# Altium PCB FMC_ADC_250M_16B_4ch.PcbDoc (part 5 of 8)
Units mm, origin at the board's own origin, x right, y up, seen from the top; angles counter-clockwise.
Board outline 76.75 x 69 mm, 8 copper layers (Top Layer, GND(SMAGND), L3, GND, L5, GND (Plane2), Power, Bottom Layer), stack 2.323 mm thick; 401 components, 423 nets, 2219 pads, 1334 vias.
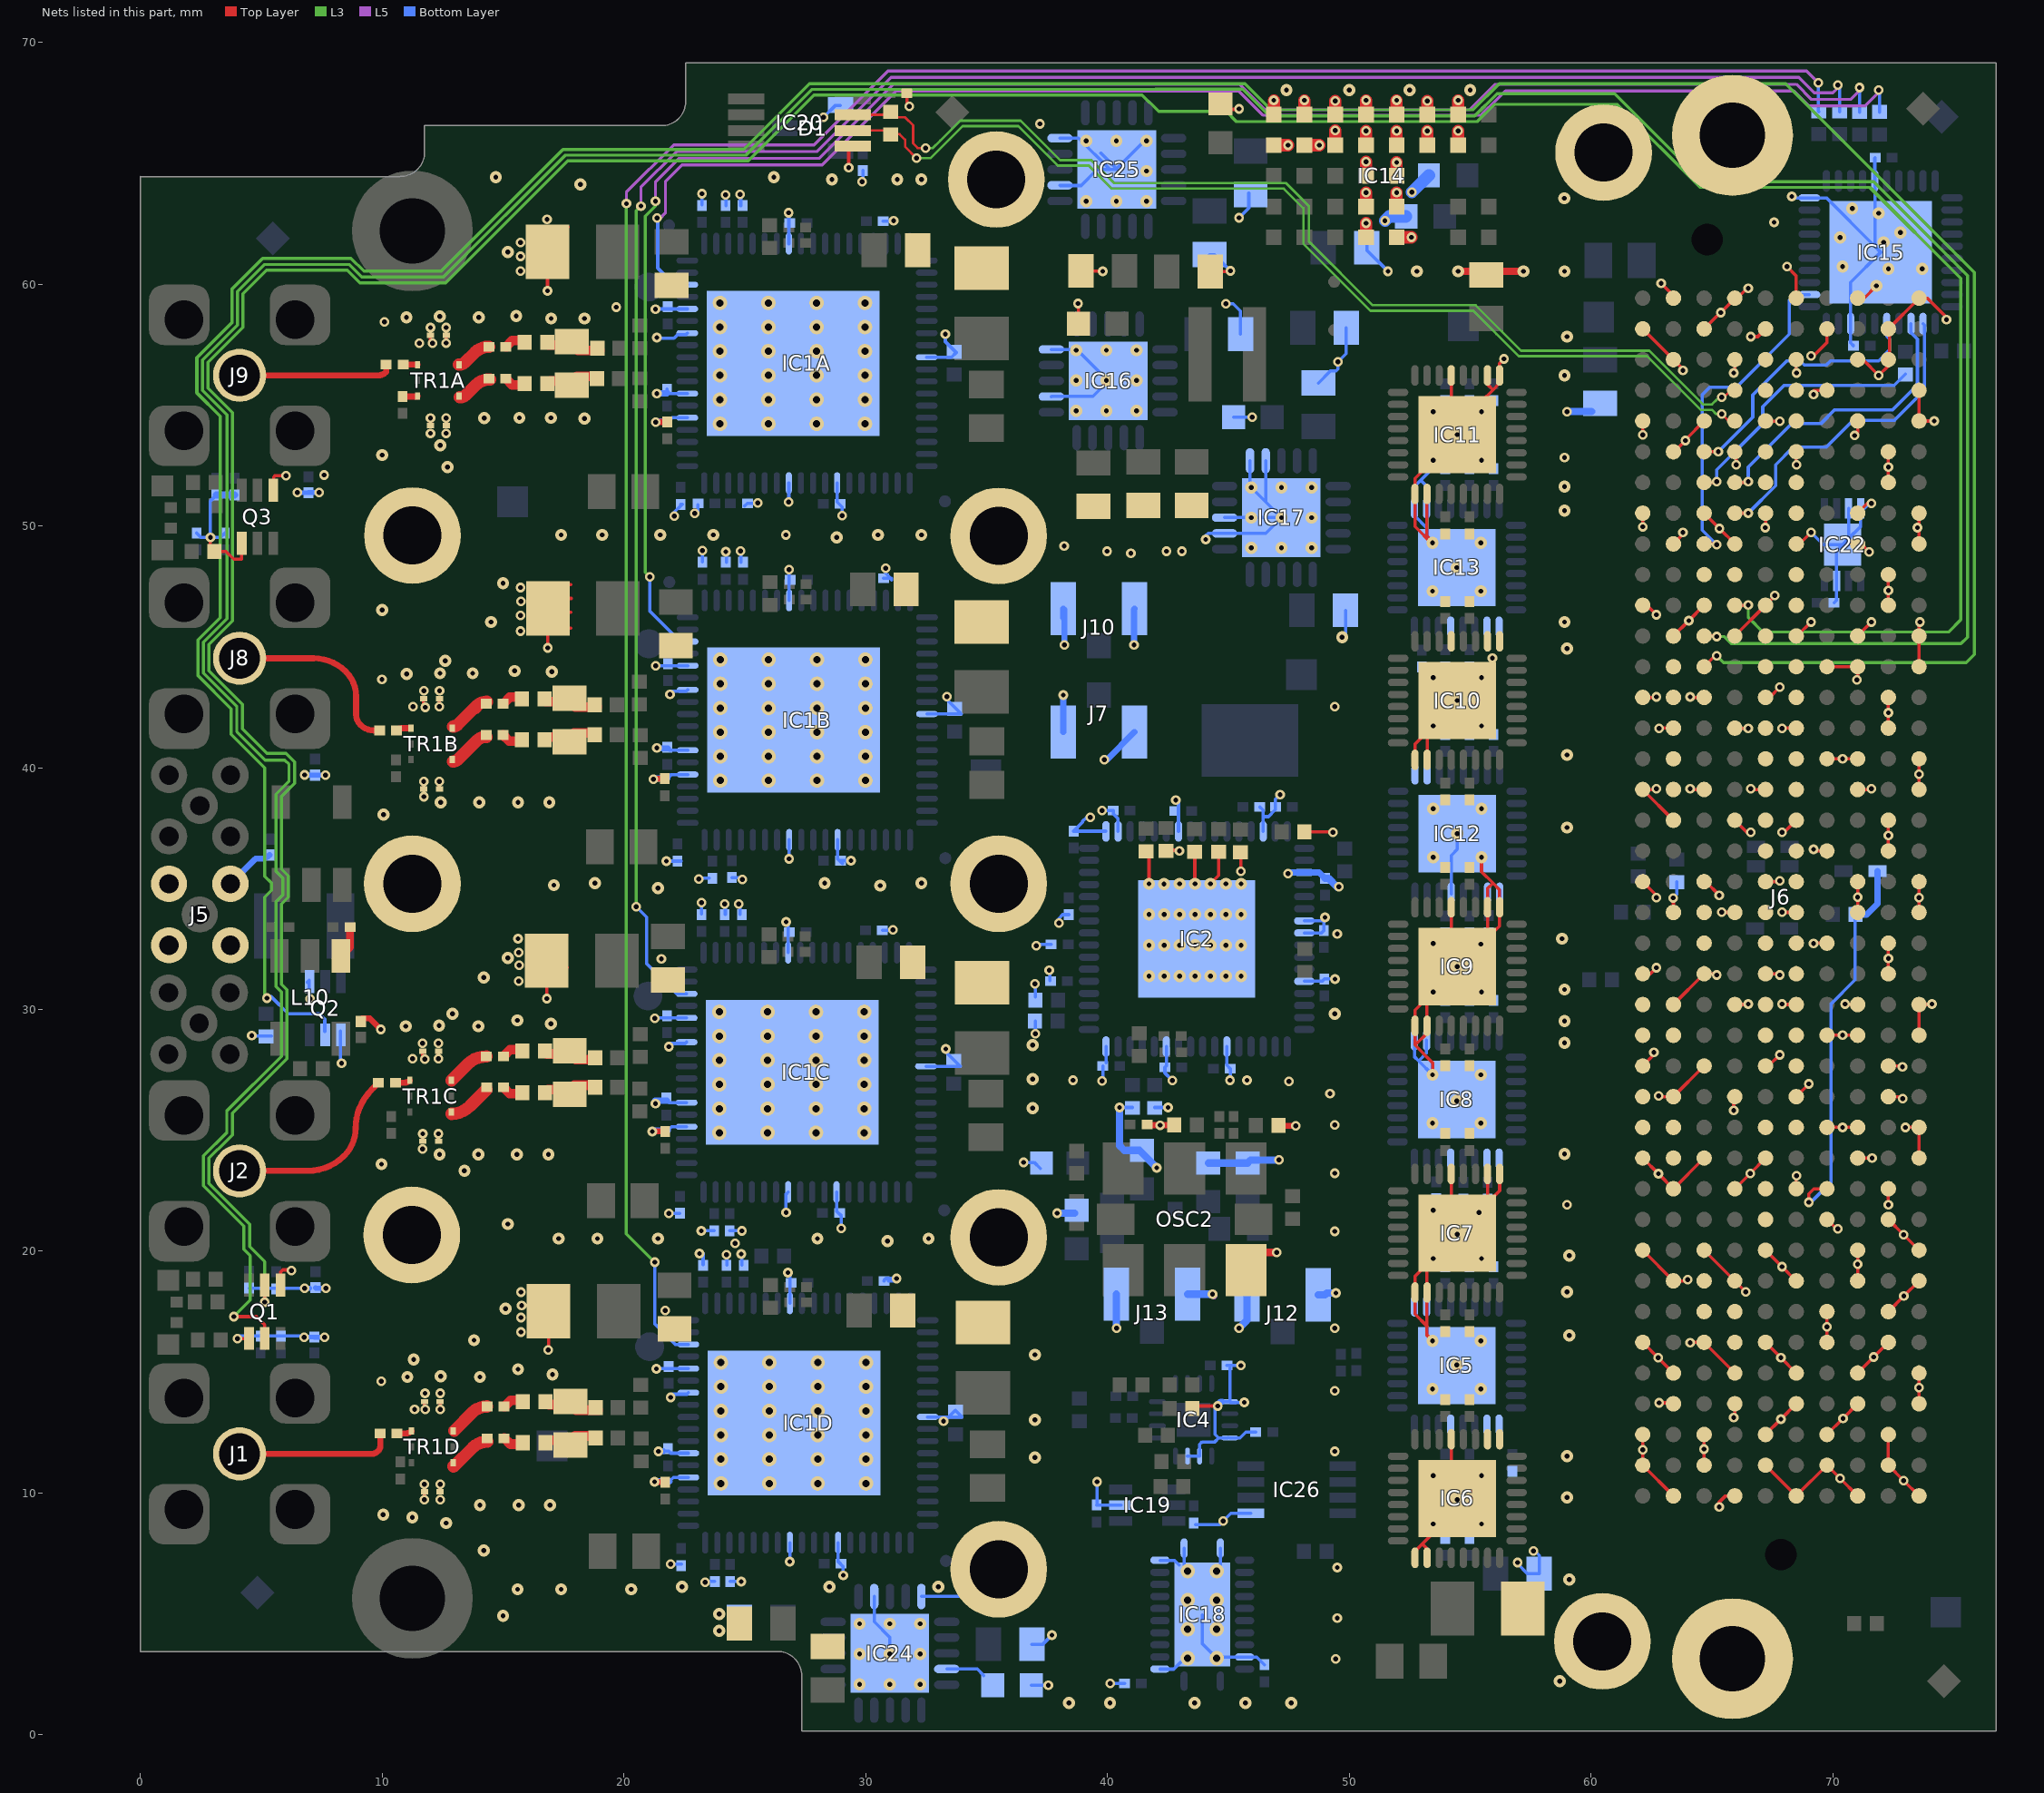
[diagram p11: the nets of this part, all layers, seen from the top]

## Via types
v1: diameter 0.4, hole 0.2, Top Layer to Bottom Layer, tented both sides, 961 vias
v2: diameter 0.5, hole 0.2, Top Layer to Bottom Layer, tented both sides, 314 vias
v3: diameter 0.4, hole 0.2, Top Layer to Bottom Layer, 33 vias
v4: diameter 0.5, hole 0.25, Top Layer to Bottom Layer, tented both sides, 19 vias
v5: diameter 0.6, hole 0.3, Top Layer to Bottom Layer, tented both sides, 7 vias

## Nets (pads, with @x,y where several pads share a name; then routed paths per layer and width w, separated by ;. In a path a pad name is that pad's centre, name@x,y a point inside that pad or via, vN(x,y) a via of type N, cw(c..) or ccw(c..) an arc to the next point about the centre after c; other vN are vias at no path point) (continued)
GND: B1.1 B4.1 B5.1 B6.1 B7.1 B8.1 B9.1 B10.1 B11.1 B14.1 B15.1 B16.1 C1A.1 C1B.1 C1C.1 C1D.1 C2A.1 C2B.1 C2C.1 C2D.1 C3A.1 C3B.1 C3C.1 C3D.1 C4A.1 C4B.1 C4C.1 C4D.1 C5A.1 C5B.1 C5C.1 C5D.1 C6A.1 C6B.1 C6C.1 C6D.1 C9A.1 C9B.1 C9C.1 C9D.1 C10A.1 C10B.1 C10C.1 C10D.1 C11A.1 C11B.1 C11C.1 C11D.1 C12A.1 C12B.1 C12C.1 C12D.1 C13A.2 C13B.2 C13C.2 C13D.2 C18A.2 C18B.2 C18C.2 C18D.2 C22.1 C23.1 C24A.1 C24B.1 C24C.1 C24D.1 C25.2 C26.1 C27.1 C28.1 C29.1 C30.1 C31.1 C32.1 C33.1 C34.1 C35.1 C36.2 C37.1 C38.1 C39.2 C40.2 C41.2 C42.2 C43.2 C44.2 C45.2 C46.2 C47.1 C48.1 C49.1 C50.1 C52A.1 C52B.1 C52C.1 C52D.1 C54A.1 C54B.1 C54C.1 C54D.1 C55.1 C59.1 C60A.2 C60B.2 C60C.2 C60D.2 C62.1 C63.2 C64.1 C65.1 C66.1 C67.1 C68.1 C69.2 C70.2 C71.2 C72.2 C73.2 C74.2 C75.2 C76.1 C77.2 C78.1 C79.1 C80.1 C81.1 C82.1 C83.1 C84.1 C85.1 C86.1 C87.1 C88.1 C89.1 C90.1 C91.1 C92.1 C93.1 C94.1 C95.1 C96.1 C97.1 C98.1 C99.1 C100.1 C101.1 C102.1 C103.1 C104.1 C105.1 C106.1 C107.1 C108.1 C109.1 C110.1 C111.1 C112.1 C113.1 C114.1 C115.1 C116.1 C117.1 C118.1 C119.1 C120.1 C121.1 C122.1 C123.2 C125.2 C126.2 C127.1 C128.2 C129.1 C130.1 C131.2 C132.2 C133A.1 C133B.1 C133C.1 C133D.1 C134A.1 C134B.1 C134C.1 C134D.1 C135.2 D1.1 IC1A.5 IC1A.7 IC1A.12 IC1A.14 IC1A.26 IC1A.45 IC1A.61 IC1A.65 IC1A.73 IC1B.5 IC1B.7 IC1B.12 IC1B.14 IC1B.26 IC1B.45 IC1B.61 IC1B.65 IC1B.73 IC1C.5 IC1C.7 IC1C.12 IC1C.14 IC1C.26 IC1C.45 IC1C.61 IC1C.65 IC1C.73 IC1D.5 IC1D.7 IC1D.12 IC1D.14 IC1D.26 IC1D.45 IC1D.61 IC1D.65 IC1D.73 IC2.3 IC2.7 IC2.8 IC2.12 IC2.22 IC2.27 IC2.32 IC2.49 IC2.50 IC2.55 IC2.62 IC2.65 IC4.9 IC4.12 IC4.14 IC4.15 IC5.1 IC5.2 IC5.5 IC5.17 IC5.18 IC5.33 IC6.1 IC6.2 IC6.5 IC6.17 IC6.18 IC6.33 IC7.1 IC7.2 IC7.5 IC7.17 IC7.18 IC7.33 IC8.1 IC8.2 IC8.5 IC8.17 IC8.18 IC8.33 IC9.1 IC9.2 IC9.5 IC9.17 IC9.18 IC9.33 IC10.1 IC10.2 IC10.5 IC10.17 IC10.18 IC10.33 IC11.1 IC11.2 IC11.5 IC11.17 IC11.18 IC11.33 IC12.1 IC12.2 IC12.5 IC12.17 IC12.18 IC12.33 IC13.1 IC13.2 IC13.5 IC13.17 IC13.18 IC13.33 IC14.B1 IC14.B2 IC14.C1 IC14.C2 IC14.D1 IC14.D2 IC14.D3 IC14.D4 IC14.D5 IC14.E1 IC14.E2 IC14.E3 IC14.E4 IC14.E5 IC14.F1 IC14.F2 IC14.G1 IC14.G2 IC14.H1 IC14.H2 IC15.10 IC15.15 IC15.38 IC15.41 IC16.7 IC16.10 IC16.21 IC17.7 IC17.8 IC17.11 IC17.12 IC17.21 IC18.2 IC18.11 IC18.12 IC18.13 IC18.22 IC18.25 IC19.2 IC20.5 IC22.3 IC22.4 IC22.7 IC22.9 IC24.7 IC24.10 IC24.21 IC25.7 IC25.10 IC25.21 IC26.1 J5.2 J6.a1 J6.a4 J6.a5 J6.a8 J6.a9 J6.a12 J6.a13 J6.a16 J6.a17 J6.a20 J6.a21 J6.a24 J6.a25 J6.a28 J6.a29 J6.a32 J6.a33 J6.a36 J6.a37 J6.a40 J6.b2 J6.b3 J6.b6 J6.b7 J6.b10 J6.b11 J6.b14 J6.b15 J6.b18 J6.b19 J6.b22 J6.b23 J6.b26 J6.b27 J6.b30 J6.b31 J6.b34 J6.b35 J6.b38 J6.b39 J6.c1 J6.c4 J6.c5 J6.c8 J6.c9 J6.c12 J6.c13 J6.c16 J6.c17 J6.c20 J6.c21 J6.c24 J6.c25 J6.c28 J6.c29 J6.c32 J6.c33 J6.c36 J6.c38 J6.c40 J6.d2 J6.d3 J6.d6 J6.d7 J6.d10 J6.d13 J6.d16 J6.d19 J6.d22 J6.d25 J6.d28 J6.d37 J6.d39 J6.e1 J6.e4 J6.e5 J6.e8 J6.e11 J6.e14 J6.e17 J6.e20 J6.e23 J6.e26 J6.e29 J6.e32 J6.e35 J6.e38 J6.e40 J6.f2 J6.f3 J6.f6 J6.f9 J6.f12 J6.f15 J6.f18 J6.f21 J6.f24 J6.f27 J6.f30 J6.f33 J6.f36 J6.f39 J6.g1 J6.g4 J6.g5 J6.g8 J6.g11 J6.g14 J6.g17 J6.g20 J6.g23 J6.g26 J6.g29 J6.g32 J6.g35 J6.g38 J6.g40 J6.h2 J6.h3 J6.h6 J6.h9 J6.h12 J6.h15 J6.h18 J6.h21 J6.h24 J6.h27 J6.h30 J6.h33 J6.h36 J6.h39 J6.j1 J6.j4 J6.j5 J6.j8 J6.j11 J6.j14 J6.j17 J6.j20 J6.j23 J6.j26 J6.j29 J6.j32 J6.j35 J6.j38 J6.j40 J6.k2 J6.k3 J6.k6 J6.k9 J6.k12 J6.k15 J6.k18 J6.k21 J6.k24 J6.k27 J6.k30 J6.k33 J6.k36 J6.k39 J7.2 J10.2 J12.2 J13.2 OSC2.3 Q1.1 Q1.4 Q2.1 Q2.4 Q3.1 Q3.4 R1A.2 R1B.2 R1C.2 R1D.2 R7.2 R14.2 R15.2 R17.2 R18.2 R19.2 R20.2 R21.2 R23.2 R24.1 R29.2 R30.2 R31.2 R36.2 R37.2 R41A.1 R41B.1 R41C.1 R41D.1 R43.2 R44.2 R49.1 R65.1 TR1A.4 TR1A.5 TR1A.9 TR1A.10 TR1B.4 TR1B.5 TR1B.9 TR1B.10 TR1C.4 TR1C.5 TR1C.9 TR1C.10 TR1D.4 TR1D.5 TR1D.9 TR1D.10 | length 470.3
  Top Layer w0.135: v1(2.9,49.52) 2.9,49.092 R65.1@3.044,48.947 ; R65.1@3.102,48.947 3.534,48.947 3.864,48.617 4.194,48.617 4.194,49.638 cw(c4.215,49.638) Q3.4@4.215,49.659 ; v1(4.017,16.385) Q1.4@4.495,16.385 ; Q3.1@5.515,51.428 5.515,52.021 5.566,52.072 5.972,52.072 6.025,52.019 v1(6.025,52.075) ; Q1.1@5.795,18.485 5.795,19.128 5.896,19.229 6.226,19.229 v1(6.254,19.202) ; v1@11.676,27.964 11.676,28.274 TR1C.10@11.682,28.279 ; TR1C.4@11.682,24.549 v1(11.682,24.86) ; v1@11.719,42.531 11.719,42.841 TR1B.10@11.724,42.846 ; TR1B.4@11.724,39.116 v1(11.724,39.427) ; v1@11.746,13.464 11.746,13.774 TR1D.10@11.752,13.779 ; v1(11.75,9.725) 11.75,10.048 TR1D.4@11.752,10.049 v1(11.752,10.36) ; v1@11.997,57.564 11.997,57.874 TR1A.10@12.002,57.88 ; TR1A.4@12.002,54.15 v1(12.002,54.46) ; TR1C.5@12.332,24.549 v1(12.332,24.86) ; v1(12.332,27.959) TR1C.9@12.332,28.279 ; TR1B.5@12.374,39.116 v1(12.374,39.427) ; v1(12.374,42.525) TR1B.9@12.374,42.846 ; TR1D.5@12.402,10.049 v1(12.402,10.36) ; v1(12.402,13.459) TR1D.9@12.402,13.779 ; TR1A.5@12.652,54.15 v1(12.652,54.46) ; v1(12.652,57.559) TR1A.9@12.652,57.88 ; v1(16.814,30.45) C13C.2@16.814,32.018 ; v1(16.842,59.717) C13A.2@16.842,61.338 ; v1(16.856,44.955) C13B.2@16.856,46.584 ; v1(16.875,15.918) 16.884,15.926 C13D.2@16.884,17.518 ; C13D.2@16.884,17.712 C13D.2@16.884,17.518 ; C13D.2@17.385,17.96 16.943,17.518 C13D.2@16.884,17.518 ; C13C.2@17.5,32.275 17.315,32.46 C13C.2@16.873,32.018 ; C13C.2@17.645,33.044 16.814,32.212 C13C.2@16.814,32.018 ; C13A.2@17.65,60.544 17.65,60.531 C13A.2@16.842,61.338 ; C13A.2@17.651,61.15 17.602,61.15 17.598,61.145 17.405,61.338 C13A.2@16.902,61.338 ; C13A.2@17.65,61.725 17.399,61.725 17.344,61.78 C13A.2@16.902,61.338 ; C13A.2@17.65,62.225 17.65,62.312 17.688,62.35 17.674,62.365 16.842,61.533 C13A.2@16.842,61.338 ; C13C.2@17.654,31.74 17.376,32.018 C13C.2@16.873,32.018 ; C13D.2@17.7,18.528 C13D.2@17.715,18.544 ; 17.8,45.775 17.722,45.775 17.694,45.747 C13B.2@16.856,46.584 ; 17.8,46.425 17.645,46.425 17.612,46.391 17.419,46.584 C13B.2@16.916,46.584 ; 17.8,47.575 17.724,47.575 17.688,47.611 16.856,46.779 C13B.2@16.856,46.584 ; 17.825,47 17.384,47 17.358,47.026 C13B.2@16.916,46.584 ; v1(21.179,24.952) v1@21.179,24.961 ; v1(21.225,39.525) v1@21.244,39.544 ; C18A.2@21.644,54.301 C18A.2@21.797,54.301 ; v1(29.301,64.811) 29.301,65.504 IC20.5@29.494,65.697 ; C131.2@31.708,67.885 31.708,67.442 v1(31.8,67.35) ; v1@33.292,28.396 v1(33.317,28.37) ; v1@33.334,42.962 v1(33.36,42.937) ; v1(38.789,59.197) 38.789,59.12 38.802,59.108 C126.2@38.802,58.358 ; C43.2@38.905,60.543 39.789,60.543 v1(39.806,60.525) ; v1@39.983,48.897 v1(39.983,48.947) ; R18.2@41.609,36.559 41.721,36.447 v2(41.721,35.195) ; R17.2@42.421,36.585 42.948,36.585 v1(42.98,36.552) ; v1@42.447,48.897 v1(42.447,48.947) ; R7.2@43.52,13.5 43.621,13.601 v1(44.566,13.601) ; R15.2@43.615,36.534 R15.2@43.615,36.514 43.615,35.206 v2(43.626,35.195) ; v2(44.261,35.195) 44.606,35.539 R14.2@44.606,36.514 R14.2@44.606,36.534 ; C45.2@44.261,60.517 45.063,60.517 v1(45.088,60.543) ; C69.2@44.644,67.223 45.317,67.223 45.393,67.299 v1(45.45,67.242) ; v1(45.52,35.714) R30.2@45.52,36.5 ; OSC2.3@45.735,19.227 OSC2.3@46.306,18.655 ; R29.2@48.129,37.34 R29.2@48.149,37.34 49.31,37.34 v1(49.325,37.325) ; IC6.17@52.721,7.271 52.721,7.596 53.025,7.9 ; IC10.17@52.725,40.325 52.725,40.975 IC10.33@53.225,41.475 ; IC6.18@53.221,7.271 53.221,7.704 53.025,7.9 ; IC7.33@53.221,19.475 IC7.33@53.221,19.471 ; IC9.33@53.221,30.475 IC9.33@53.221,30.471 ; IC11.18@53.221,51.271 53.221,49.578 v2@53.5,49.299 ; 53.225,16.9 53.221,16.904 ; IC10.18@53.225,40.325 IC10.33@53.225,41.475 ; v2@53.431,49.267 52.721,49.976 52.721,51.961 v2(53.475,52.715) ; v2(53.45,16.3) 53.221,16.529 53.221,16.904 ; v2(53.45,27.3) 53.45,27.8 52.725,28.525 ; v2(53.475,8.725) 53.475,8.35 53.025,7.9 ; v2(53.475,19.7) 53.45,19.7 IC7.33@53.221,19.471 ; v2(53.475,21.7) 53.825,21.7 54.221,22.096 IC7.5@54.221,23.271 ; v2(53.475,30.725) IC9.33@53.221,30.471 ; v2(53.475,32.725) 53.796,32.725 54.221,33.15 IC9.5@54.221,34.271 ; v2(53.475,41.725) IC10.33@53.225,41.475 ; v2(53.475,54.715) 53.79,54.715 54.221,55.146 IC11.5@54.221,56.221 IC11.5@54.221,56.271 ; IC6.5@54.225,12.225 54.225,10.025 IC6.33@54.475,9.775 ; IC7.33@54.475,20.75 IC7.33@55.725,22 ; IC9.33@55.475,32.725 55.5,32.725 56.221,33.446 56.221,34.954 55.95,35.225 ; v2(55.475,36.3) 55.475,35.7 55.95,35.225 ; v2(55.475,54.715) 55.475,55.15 55.95,55.625 ; IC9.33@55.721,32.95 55.721,34.996 55.95,35.225 ; IC11.2@55.721,56.271 IC11.2@55.721,56.221 55.721,55.854 55.95,55.625 ; IC7.2@55.725,23.2 IC7.33@55.725,22 ; IC7.1@56.225,23.2 56.225,22.5 IC7.33@55.725,22 ; v1(56.409,56.904) 56.221,56.716 IC11.1@56.221,56.221 56.221,55.896 55.95,55.625 ; J6.k3@62.141,12.425 v1(62.141,11.79) J6.k2@62.141,11.155 J6.j1@63.411,9.885 ; J6.k6@62.141,16.235 v1(62.776,15.6) J6.j5@63.411,14.965 ; J6.k9@62.141,20.045 J6.j8@63.411,18.775 63.956,18.775 v1(64.006,18.825) ; J6.k12@62.141,23.855 v1(62.789,23.207) J6.j11@63.411,22.585 J6.h12@64.681,23.855 ; J6.k15@62.141,27.665 62.606,28.13 v1(62.606,28.225) ; J6.k18@62.141,31.475 62.456,31.475 v1(62.706,31.725) ; J6.k21@62.141,35.285 62.706,34.72 v1(62.706,34.625) ; J6.k27@62.141,42.905 62.686,42.905 v1(62.706,42.925) ; J6.k30@62.141,46.715 62.316,46.715 v1(62.706,46.325) ; v1(62.141,49.96) J6.k33@62.141,50.525 ; v1(62.141,53.76) J6.k36@62.141,54.335 ; J6.k39@62.141,58.145 J6.j38@63.411,56.875 63.806,56.48 v1(63.806,56.425) ; v1(62.706,39.125) 62.746,39.125 62.776,39.095 J6.k24@62.141,39.095 J6.j23@63.411,37.825 ; v1(62.806,26.425) 62.836,26.395 J6.j14@63.411,26.395 J6.h15@64.681,27.665 ; v1(62.814,13.732) 63.374,13.732 J6.j4@63.411,13.695 ; v1(62.814,41.625) 62.814,41.632 62.816,41.635 J6.j26@63.411,41.635 ; v1(62.906,60.025) 63.411,59.52 J6.j40@63.411,59.415 ; v1(63.406,34.613) 63.406,34.615 63.411,34.62 J6.j20@63.411,34.015 ; J6.j17@63.411,30.205 J6.h18@64.681,31.475 65.156,31.475 v1(65.206,31.425) ; J6.j29@63.411,45.445 v1(64.046,46.08) J6.h30@64.681,46.715 ; J6.j32@63.411,49.255 63.806,49.65 v1(63.806,49.725) ; J6.j35@63.411,53.065 63.446,53.065 v1(63.906,53.525) 63.906,53.56 J6.h36@64.681,54.335 ; v1(64.106,16.225) 64.116,16.235 J6.h6@64.681,16.235 J6.g5@65.951,14.965 ; v1(64.106,39.125) 64.136,39.095 J6.h24@64.681,39.095 ; v1(64.106,42.925) 64.126,42.905 J6.h27@64.681,42.905 ; J6.h2@64.681,11.155 v1(64.681,11.819) J6.h3@64.681,12.425 ; J6.h9@64.681,20.045 J6.g8@65.951,18.775 66.401,18.325 v1(66.406,18.325) ; J6.h21@64.681,35.285 64.746,35.285 v1(65.306,34.725) ; J6.h33@64.681,50.525 v1(65.316,49.89) J6.g32@65.951,49.255 ; J6.h39@64.681,58.145 65.343,58.807 v1@65.343,58.817 ; v1(65.306,9.425) 65.306,9.625 65.566,9.885 J6.g1@65.951,9.885 ; v1(65.369,58.817) 65.951,59.4 J6.g40@65.951,59.415 66.043,59.415 v1@66.512,59.884 ; v1(65.406,34.025) 65.416,34.015 J6.g20@65.951,34.015 ; v1(65.906,13.125) 65.906,13.115 65.951,13.07 J6.g4@65.951,13.695 ; v1(65.906,25.825) 65.906,26.35 J6.g14@65.951,26.395 ; v1(65.906,56.325) 65.951,56.37 J6.g38@65.951,56.875 ; J6.g11@65.951,22.585 v1(66.586,23.22) J6.f12@67.221,23.855 ; J6.g17@65.951,30.205 66.586,30.205 66.566,30.225 v1(66.506,30.225) ; J6.g23@65.951,37.825 66.451,37.325 v1(66.606,37.325) ; J6.g26@65.951,41.635 65.961,41.625 v1(66.506,41.625) ; J6.g29@65.951,45.445 J6.f30@67.221,46.715 67.606,47.1 v1(67.606,47.125) ; J6.g35@65.951,53.065 66.006,53.01 v1(66.006,52.525) ; v1(66.606,39.125) 66.636,39.095 J6.f24@67.221,39.095 ; v1(66.606,57.825) 66.901,57.825 J6.f39@67.221,58.145 ; v1(67.206,49.927) 67.209,49.927 67.221,49.94 J6.f33@67.221,50.525 ; J6.f2@67.221,11.155 J6.e1@68.491,9.885 J6.d2@69.761,11.155 v1(70.306,10.61) J6.c1@71.031,9.885 ; J6.f3@67.221,12.425 v1(67.856,13.06) J6.e4@68.491,13.695 ; J6.f6@67.221,16.235 v1(67.856,15.6) J6.e5@68.491,14.965 ; J6.f9@67.221,20.045 v1(67.906,19.36) J6.e8@68.491,18.775 ; J6.f15@67.221,27.665 67.346,27.665 v1(67.806,28.125) ; J6.f18@67.221,31.475 67.756,31.475 v1(67.806,31.425) ; J6.f21@67.221,35.285 67.766,35.285 v1(67.806,35.325) ; J6.f27@67.221,42.905 67.386,42.905 v1(67.806,43.325) ; J6.f36@67.221,54.335 67.231,54.325 v1(67.806,54.325) ; v1(67.906,30.225) 67.926,30.205 J6.e17@68.491,30.205 ; v1(67.906,34.025) 67.916,34.015 J6.e20@68.491,34.015 ; v1(67.906,37.325) 67.991,37.325 J6.e23@68.491,37.825 ; v1(67.906,41.625) 67.916,41.635 J6.e26@68.491,41.635 ; v1(68.106,60.725) 68.491,60.34 J6.e40@68.491,59.415 ; J6.e11@68.491,22.585 68.491,23.11 v1(68.506,23.125) ; J6.e14@68.491,26.395 69.006,26.91 v1(69.006,26.925) ; J6.e29@68.491,45.445 68.526,45.445 v1(69.106,46.025) ; J6.e32@68.491,49.255 68.636,49.255 v1(69.106,49.725) ; J6.e35@68.491,53.065 68.491,52.44 68.506,52.455 v1(68.506,52.525) ; J6.e38@68.491,56.875 68.491,56.34 v1(68.506,56.325) ; v1(69.106,57.025) 69.206,57.025 69.761,57.58 J6.d39@69.761,58.145 ; v1(69.206,32.725) 69.226,32.745 J6.d19@69.761,32.745 ; v1(69.206,36.625) 69.276,36.555 J6.d22@69.761,36.555 ; v1(69.206,55.435) 69.206,55.585 69.226,55.605 J6.d37@69.761,55.605 ; J6.d3@69.761,12.425 v1(70.427,13.091) J6.c4@71.031,13.695 ; J6.d6@69.761,16.235 v1(69.761,16.873) J6.d7@69.761,17.505 ; J6.d10@69.761,21.315 70.151,20.925 v1(70.206,20.925) ; J6.d13@69.761,25.125 v1(70.406,25.125) J6.c13@71.031,25.125 ; J6.d16@69.761,28.935 v1(70.406,28.935) J6.c16@71.031,28.935 ; J6.d25@69.761,40.365 v1(70.406,40.365) J6.c25@71.031,40.365 ; J6.d28@69.761,44.175 J6.c28@71.031,44.175 71.031,43.55 71.006,43.575 v1(71.006,43.625) ; v1(70.506,30.225) 70.526,30.205 J6.c17@71.031,30.205 ; v1(70.906,53.737) 70.919,53.737 71.031,53.85 J6.c36@71.031,54.335 ; J6.c5@71.031,14.965 v1(71.697,15.631) J6.b6@72.301,16.235 ; J6.c8@71.031,18.775 v1(71.031,19.464) J6.c9@71.031,20.045 ; J6.c12@71.031,23.855 71.576,23.855 71.606,23.825 71.631,23.85 v1(71.631,23.852) ; J6.c20@71.031,34.015 v1(71.031,34.65) J6.c21@71.031,35.285 ; J6.c24@71.031,39.095 71.576,39.095 v1(71.606,39.125) ; J6.c29@71.031,45.445 71.606,46.02 v1(71.606,46.025) ; J6.c32@71.031,49.255 71.176,49.255 v1(71.506,48.925) ; J6.c33@71.031,50.525 71.431,50.925 v1@71.506,50.925 ; J6.c38@71.031,56.875 71.256,56.875 v1(71.906,56.225) 72.301,56.62 J6.b38@72.301,56.875 72.358,56.932 72.358,58.088 J6.b39@72.301,58.145 J6.a40@73.571,59.415 73.916,59.415 v1@74.706,58.625 ; J6.c40@71.031,59.415 71.296,59.415 v2(71.806,59.925) ; J6.b3@72.301,12.425 J6.b2@72.301,11.155 v1(72.936,10.52) J6.a1@73.571,9.885 ; J6.b7@72.301,17.505 v1(72.944,18.148) J6.a8@73.571,18.775 ; J6.b10@72.301,21.315 v1(72.933,20.683) J6.a9@73.571,20.045 ; J6.b11@72.301,22.585 72.301,21.93 v1(72.306,21.925) ; J6.b14@72.301,26.395 72.836,26.395 72.899,26.332 v1(72.899,26.318) ; J6.b15@72.301,27.665 72.846,27.665 v1(72.886,27.625) ; J6.b18@72.301,31.475 v1(72.301,32.11) J6.b19@72.301,32.745 ; J6.b22@72.301,36.555 v1(72.301,37.19) J6.b23@72.301,37.825 ; J6.b26@72.301,41.635 v1(72.301,42.27) J6.b27@72.301,42.905 ; J6.b30@72.301,46.715 v1(72.301,47.325) J6.b31@72.301,47.985 ; J6.b34@72.301,51.795 v1(72.301,52.425) J6.b35@72.301,53.065 ; v1(73.006,25.125) J6.a13@73.571,25.125 J6.a12@73.571,23.855 ; v1(73.506,49.925) v1@73.571,49.99 ; J6.a4@73.571,13.695 v1(73.571,14.359) J6.a5@73.571,14.965 ; J6.a16@73.571,28.935 J6.a17@73.571,30.205 74.086,30.205 v1(74.106,30.225) ; J6.a20@73.571,34.015 v1(73.571,34.625) J6.a21@73.571,35.285 ; J6.a24@73.571,39.095 v1(73.571,39.73) J6.a25@73.571,40.365 ; J6.a28@73.571,44.175 J6.a29@73.571,45.445 73.571,45.99 v1(73.606,46.025) ; J6.a32@73.571,49.255 v1@73.571,49.99 ; J6.a33@73.571,50.525 v1@73.571,49.99 ; J6.a37@73.571,55.605 J6.a36@73.571,54.335 v1(74.196,54.335) ; C13C.2@16.814,32.018 C13C.2@16.873,32.018 ; C13A.2@16.842,61.338 C13A.2@16.902,61.338 ; C13B.2@16.856,46.584 C13B.2@16.916,46.584 ; 52.725,28.525 53.221,29.021 IC9.33@53.221,30.471 ; 52.725,28.525 52.721,28.529 52.721,29.971 IC9.33@53.221,30.471 ; 53.221,16.904 IC7.33@53.221,19.471 ; 53.221,16.904 52.721,17.404 52.721,18.971 IC7.33@53.221,19.471
  Top Layer w0.203: v1@7.6,16.449 v1(7.623,16.449)
  Top Layer w0.245: R37.2@9.175,29.63 9.491,29.63 v1(9.946,29.175)
  Top Layer w0.254: J5.2@3.726,32.655 J5.2@3.905,32.655 ; v1@4.587,28.921 v1(4.612,28.921) ; v1@21.179,24.961 C18C.2@21.716,24.961 ; v1@21.244,39.544 C18B.2@21.692,39.544 ; v1@21.284,10.458 C18D.2@21.717,10.458 ; v1@21.419,54.301 C18A.2@21.644,54.301 ; C63.2@41.64,25.238 41.665,25.213 v1(42.179,25.213) R36.2@42.897,25.213 ; R31.2@47.201,25.187 v1(47.792,25.187)
  Top Layer w0.308: OSC2.3@45.735,19.227 45.735,19.36 46.325,19.95 v3(47,19.95) ; v2(54.506,60.525) v2(57.206,60.525)
  Top Layer w0.508: IC14.H2@46.884,65.743 v1(47.468,65.743) ; IC14.H1@46.884,67.013 v1(46.884,67.597) ; IC14.G2@48.154,65.743 v1(48.763,65.743) ; IC14.G1@48.154,67.013 v1(48.154,67.597) ; IC14.F2@49.424,65.743 v1(49.424,66.352) ; IC14.F1@49.424,67.013 v1(49.424,67.572) ; IC14.E5@50.694,61.933 v1(50.694,62.517) ; IC14.E4@50.694,63.203 v1(50.694,63.787) ; IC14.E3@50.694,64.473 v1(50.694,65.057) ; IC14.E2@50.694,65.743 v1(50.694,66.327) ; IC14.E1@50.694,67.013 v1(50.694,67.597) ; IC14.D5@51.964,61.933 v1(52.573,61.933) ; IC14.D4@51.964,63.203 v1(51.964,63.787) ; IC14.D3@51.964,64.473 v1(51.964,65.032) ; IC14.D2@51.964,65.743 v1(51.964,66.327) ; IC14.D1@51.964,67.013 v1(51.964,67.597) ; IC14.C2@53.234,65.743 v1(53.234,66.327) ; IC14.C1@53.234,67.013 v1(53.234,67.572) ; IC14.B2@54.504,65.743 v1(54.504,66.327) ; IC14.B1@54.504,67.013 v1(54.504,67.597)
  L5 w0.308: v3(44.35,18.224) v3@44.4,18.174 ; v3@45.406,16.8 45.426,16.8 v3(45.45,16.824) ; v3@49.426,18.274 v3(49.45,18.274)
  Bottom Layer w0.135: C54B.1@2.332,49.7 2.512,49.52 v1(2.9,49.52) ; C9A.1@3.145,51.275 2.9,51.03 v1(2.9,49.52) ; C9B.1@3.5,49.7 3.32,49.52 v1(2.9,49.52) ; v1(4.017,16.385) 4.132,16.5 C54D.1@4.975,16.5 C9D.1@5.825,16.5 6.734,16.5 v1@6.779,16.455 ; C54C.1@4.5,18.475 v1(6.8,18.475) ; v1(4.612,28.921) v1@4.625,28.908 ; v1@4.637,28.921 4.659,28.9 R49.1@5.42,28.9 ; Q2.4@6.906,31.125 6.981,31.2 6.981,30.489 v1(7.025,30.445) ; Q2.1@8.281,29.1 8.281,27.919 v1@8.295,27.905 ; v1(21.179,24.952) v1@21.219,24.992 ; v1@21.225,39.559 v1(21.225,39.525) v1@21.25,39.55 ; v1(21.278,29.64) 21.287,29.65 IC1C.14@22.597,29.65 ; v1@21.3,26.103 v1(21.311,26.103) ; v1(21.306,58.961) 21.316,58.971 IC1A.14@22.625,58.971 ; v1(21.32,44.207) 21.33,44.217 IC1B.14@22.639,44.217 ; v1(21.32,54.294) v1@21.339,54.313 ; v1(21.348,15.14) 21.357,15.15 IC1D.14@22.667,15.15 ; v1(21.365,57.787) 21.39,57.761 22.076,57.761 22.227,57.912 22.567,57.912 IC1A.12@22.625,57.971 ; v1(21.425,11.725) v1@21.425,11.833 ; C5D.1@21.729,11.731 21.856,11.731 21.937,11.65 IC1D.7@22.667,11.65 ; C5C.1@21.786,26.231 21.867,26.15 IC1C.7@22.597,26.15 ; C5A.1@21.789,55.475 C5A.1@21.789,55.552 ; C5A.1@21.789,55.653 C5A.1@21.789,55.552 ; 21.8,39.55 21.967,39.717 IC1B.5@22.639,39.717 ; 21.817,24.992 21.974,25.15 IC1C.5@22.597,25.15 ; C5B.1@21.828,40.798 21.909,40.717 IC1B.7@22.639,40.717 ; 21.845,54.313 22.003,54.471 IC1A.5@22.625,54.471 ; v1(21.865,28.459) 21.905,28.459 21.905,28.541 21.956,28.591 22.538,28.591 IC1C.12@22.597,28.65 ; 21.887,10.492 22.044,10.65 IC1D.5@22.667,10.65 ; v1(21.907,43.026) 21.948,43.026 21.948,43.108 21.999,43.158 22.581,43.158 IC1B.12@22.639,43.217 ; v1@21.918,21.569 C24C.1@22.319,21.569 ; v1(21.935,13.959) 21.975,13.959 21.975,14.041 22.026,14.091 22.608,14.091 IC1D.12@22.667,14.15 ; 21.961,36.135 C24B.1@22.362,36.135 ; v1@21.988,7.069 C24D.1@22.389,7.069 ; v1@22.036,50.511 22.415,50.889 C24A.1@22.347,50.889 ; IC1A.7@22.625,55.471 21.895,55.471 21.814,55.552 C5A.1@21.789,55.552 ; v1@23.064,50.534 C6A.1@23.064,50.864 ; v1(23.129,19.904) 23.267,19.904 23.278,19.915 C2D.1@23.278,19.453 ; C2C.1@23.208,33.953 v1(23.208,34.415) ; v1@23.23,35.398 23.261,35.429 C6B.1@23.535,35.429 ; C2A.1@23.236,63.273 v1(23.236,63.736) ; C2B.1@23.251,48.519 v1(23.251,48.982) ; v1@23.306,20.895 23.352,20.85 C6C.1@23.738,20.85 ; v1(23.357,6.315) 23.388,6.346 C6D.1@23.764,6.346 ; v1(24.173,34.365) 24.199,34.339 C4C.1@24.199,33.927 ; v1(24.202,63.685) 24.227,63.66 C4A.1@24.227,63.248 ; v1(24.216,48.931) 24.241,48.906 C4B.1@24.241,48.494 ; v1(24.243,19.865) 24.269,19.839 C4D.1@24.269,19.427 ; C133C.1@24.373,20.85 24.799,20.85 v1@24.805,20.844 ; C133D.1@24.399,6.346 24.85,6.346 v1(24.856,6.341) ; C133B.1@24.475,35.455 24.85,35.455 v1@24.907,35.398 ; v1(24.754,34.361) 24.783,34.39 24.808,34.365 C3C.1@24.808,33.927 ; v1(24.811,63.711) 24.837,63.685 C3A.1@24.837,63.248 ; v1(24.825,48.957) 24.851,48.931 C3B.1@24.851,48.494 ; v1(24.853,19.89) 24.878,19.865 C3D.1@24.878,19.427 ; C133A.1@24.989,50.813 C133A.1@25.11,50.935 25.533,50.935 v1(25.542,50.943) ; v1(26.71,21.606) 26.71,22.363 IC1C.65@26.797,22.45 ; v1(26.71,33.62) 26.782,33.62 26.789,33.628 26.797,33.621 IC1C.26@26.797,32.35 ; v1(26.786,19.117) 26.848,19.117 26.859,19.128 26.867,19.121 IC1D.26@26.867,17.85 ; v1(26.818,50.985) 26.825,50.993 IC1A.65@26.825,51.771 ; v1(26.818,62.949) 26.825,62.942 IC1A.26@26.825,61.671 ; v1(26.832,36.231) 26.839,36.239 IC1B.65@26.839,37.017 ; v1(26.832,48.195) 26.839,48.188 IC1B.26@26.839,46.917 ; v1(26.859,7.165) 26.867,7.172 IC1D.65@26.867,7.95 ; v1(28.259,66.894) 28.755,67.39 D1.1@28.949,67.39 ; IC1C.61@28.797,22.45 28.797,21.664 28.999,21.461 28.999,21.157 ; IC1A.61@28.825,51.771 28.825,50.985 29.028,50.782 v1@29.028,50.477 ; IC1B.61@28.839,37.017 28.839,36.231 C11B.1@29.042,36.028 ; IC1D.61@28.867,7.95 28.867,7.164 29.069,6.961 v1@29.069,6.657 ; C11B.1@28.96,36.155 v1(29.397,36.155) ; v1(29.86,64.227) 29.885,64.253 C132.2@29.885,64.69 ; IC24.7@30.356,5.725 30.356,4.675 31.006,4.025 IC24.21@31.006,3.375 ; C10C.1@30.695,33.272 v1@31.107,33.272 ; C10A.1@30.724,62.593 31.136,62.593 v1(31.161,62.619) ; C10B.1@30.738,47.839 31.027,47.839 ; C10D.1@30.765,18.772 cw(c30.868,18.772) 30.868,18.875 v1(31.275,18.875) ; v1(30.827,48.252) 30.827,48.039 31.027,47.839 ; C10D.1@30.95,18.772 v1@31.177,18.772 ; IC24.10@32.306,5.725 34.381,5.725 B7.1@35.506,6.85 ; IC1C.45@32.497,27.65 33.918,27.65 33.317,28.25 v1(33.317,28.37) ; IC1A.45@32.525,56.971 33.552,56.971 33.749,57.168 33.299,57.617 v1(33.299,57.926) ; IC1B.45@32.539,42.217 33.96,42.217 33.36,42.817 v1(33.36,42.937) ; IC1D.45@32.567,13.15 R1D.2@33.438,13.15 ; v1(33.224,12.974) 33.262,12.974 R1D.2@33.438,13.15 ; v1(36.529,23.674) 36.973,23.674 C59.1@37.227,23.42 ; C41.2@36.857,2.048 v1(37.556,2.048) ; C74.2@36.881,3.75 37.331,3.75 v1(37.706,4.125) ; v1(36.997,31.058) 37.021,31.082 R19.2@37.021,30.521 ; R20.2@37.021,29.521 37.021,28.999 v1(37.022,28.997) ; v1(37.062,32.641) 37.022,32.68 37.029,32.687 C28.1@37.678,32.687 ; C37.1@37.621,31.193 v1@37.621,31.521 ; IC16.7@37.684,55.346 37.699,55.361 39.399,55.361 IC16.21@40.034,55.996 38.734,57.296 IC16.10@37.684,57.296 ; v1(38.002,33.58) 38.002,33.758 37.994,33.766 38.15,33.922 C34.1@38.4,33.922 ; IC25.7@38.039,64.084 38.05,64.073 38.916,64.073 39.577,64.734 IC25.21@40.11,64.734 ; IC25.10@38.039,66.034 38.81,66.034 IC25.21@40.11,64.734 ; v1(39.297,37.949) 39.145,37.949 38.967,37.771 38.967,37.736 C32.1@38.606,37.375 IC2.49@39.933,37.375 ; v1(39.577,10.466) 39.577,9.522 C129.1@39.559,9.505 IC19.2@40.559,9.505 ; IC25.21@39.734,65.417 40.384,64.767 IC25.21@41.684,66.067 ; v1(39.775,27.05) 39.8,27.05 39.812,27.062 C27.1@39.812,27.658 ; v1(39.78,38.229) C48.1@40.243,38.229 40.243,38.096 40.442,37.896 IC2.50@40.442,37.366 ; C27.1@39.942,27.789 IC2.32@39.942,28.466 ; v1(39.983,48.947) 39.983,48.897 v1@40.014,48.866 ; v1(40.121,2.124) C25.2@40.711,2.124 ; IC25.21@40.389,64.734 IC25.21@40.11,64.734 ; v1(40.503,25.948) R21.2@41.042,25.948 ; R23.2@41.956,25.948 v1(42.508,25.948) ; IC18.2@42.181,2.719 42.748,2.719 IC18.25@43.017,2.988 ; IC18.11@42.181,7.219 42.773,7.219 IC18.25@42.966,7.026 ; IC2.27@42.442,28.466 42.442,27.672 C50.1@42.377,27.607 42.377,27.377 v1(42.687,27.067) ; v1(42.447,48.947) 42.447,48.897 v1@42.452,48.891 ; v1(42.828,38.66) 42.942,38.546 IC2.55@42.942,37.366 ; v1(43.082,48.947) v1@43.102,48.927 ; IC18.12@43.181,7.719 43.181,6.938 IC18.25@43.245,6.874 ; IC4.15@43.314,11.532 IC4.14@43.814,11.532 43.814,12.012 43.92,12.117 44.442,12.117 44.6,12.275 ; C130.1@43.646,8.688 44.631,8.688 v1(44.784,8.841) 45.104,9.161 IC26.1@45.932,9.161 ; IC18.25@43.931,4.969 43.931,3.769 44.481,3.219 46.178,3.219 C33.1@46.494,2.903 ; v1(44.064,49.436) 44.064,49.588 44.166,49.69 IC17.7@44.847,49.69 46.547,49.69 v2(47.197,50.34) ; C44.2@44.225,61.218 44.414,61.218 v1(45.088,60.543) ; v1@44.45,13.601 44.45,12.425 44.6,12.275 ; IC18.25@44.668,6.925 44.681,6.938 IC18.13@44.681,7.719 ; IC4.9@44.75,13.782 IC4.9@45.064,13.782 C38.1@45.064,15.161 ; IC17.8@44.847,50.34 v2(45.947,50.34) v2(47.197,50.34) ; v1(44.9,59.188) 45.198,59.188 45.506,58.881 C70.2@45.506,57.927 ; IC2.22@44.942,28.466 44.942,27.698 C26.1@45.084,27.556 v1@45.084,27.118 ; C38.1@44.95,15.275 v1(45.525,15.275) ; IC4.12@45,12.3 44.975,12.275 44.6,12.275 ; IC4.12@45.064,12.282 45.481,12.282 45.723,12.524 C62.1@46.135,12.524 ; IC4.9@45.096,13.75 v1(45.664,13.75) ; C128.2@45.22,54.491 45.98,54.491 v1(45.989,54.499) ; v1(45.444,62.74) 45.85,63.146 C42.2@45.85,63.756 ; IC17.11@45.897,52.69 45.897,51.64 v2(45.947,51.59) IC17.21@46.547,50.99 ; C29.1@46.302,38.381 46.442,38.241 46.442,37.975 ; IC2.62@46.442,37.366 46.442,37.975 ; IC17.12@46.547,52.69 IC17.21@46.547,50.99 ; v1(47.146,38.889) 46.948,38.691 C35.1@46.948,38.381 46.948,38.26 46.663,37.975 46.442,37.975 ; IC2.12@48.142,31.166 48.882,31.166 C49.1@48.975,31.259 v1(49.416,31.259) ; IC2.8@48.142,33.166 48.85,33.166 C47.1@48.95,33.266 v1@48.95,33.666 ; IC2.7@48.142,33.666 v1@48.95,33.666 ; C73.2@48.732,55.907 49.227,56.403 49.457,56.403 49.533,56.479 v1(49.533,56.784) 49.875,57.125 C36.2@49.875,58.193 ; v1(49,33.809) 48.95,33.759 v1@48.95,33.666 ; v2(49.711,45.391) 49.849,45.529 C127.1@49.849,46.509 ; v1(50.694,62.517) 50.73,62.481 C68.1@50.73,61.501 50.73,61.401 v1(51.606,60.525) ; IC8.17@52.7,28.725 52.7,28.05 IC8.33@52.875,27.875 ; IC8.18@53.2,28.725 53.2,28.2 IC8.33@52.875,27.875 ; v2(53.45,27.3) IC8.33@52.875,27.875 ; v2(53.45,49.3) 53.221,49.529 53.221,49.9 ; v2(53.475,52.715) 53.475,52.4 52.963,51.888 ; IC12.5@54.221,34.771 54.221,36.371 54.475,36.625 v2(54.475,37.275) ; v1(56.961,7.128) 56.961,7.077 57.368,6.671 C123.2@57.861,6.671 57.861,7.422 57.673,7.611 v1(57.622,7.611) ; v1(63.406,34.613) 63.554,34.76 R44.2@63.554,35.269 R44.2@63.554,35.289 ; v1@67.513,62.486 v1(67.579,62.551) ; v1(68.306,63.625) 68.368,63.563 IC15.10@69.038,63.563 69.738,63.563 IC15.41@71.756,61.544 ; v1(69.106,49.725) 69.606,49.225 IC22.9@70.406,49.225 ; C55.1@70.056,46.825 70.156,46.925 IC22.7@70.156,47.725 70.156,48.975 IC22.9@70.406,49.225 ; IC22.3@70.656,50.725 IC22.9@70.656,49.475 ; C22.1@70.856,57.45 70.738,57.569 IC15.38@70.738,58.363 70.738,60.063 IC15.41@71.988,61.313 IC15.41@71.756,61.544 ; v1(71.506,48.925) 71.206,49.225 IC22.9@70.406,49.225 ; v1@71.506,50.925 71.306,50.725 IC22.4@71.156,50.725 71.156,49.975 IC22.9@70.656,49.475 ; IC15.15@71.738,64.263 71.738,65.206 C23.1@71.756,65.225 IC15.41@71.756,61.544 ; 31.027,47.839 31.027,47.813 31.075,47.764 31.075,47.839 31.027,47.839 ; R1D.2@33.438,13.15 33.713,13.425 33.988,13.15 R1D.2@33.438,13.15 ; IC17.21@46.547,50.99 v2(47.197,50.34) ; 52.963,51.888 53.221,51.629 53.221,49.9 ; 52.963,51.888 52.721,51.646 52.721,50.4 53.221,49.9 ; IC22.9@70.406,49.225 IC22.9@70.656,49.475